# KiCad board kharon386_main.kicad_pcb (continued)
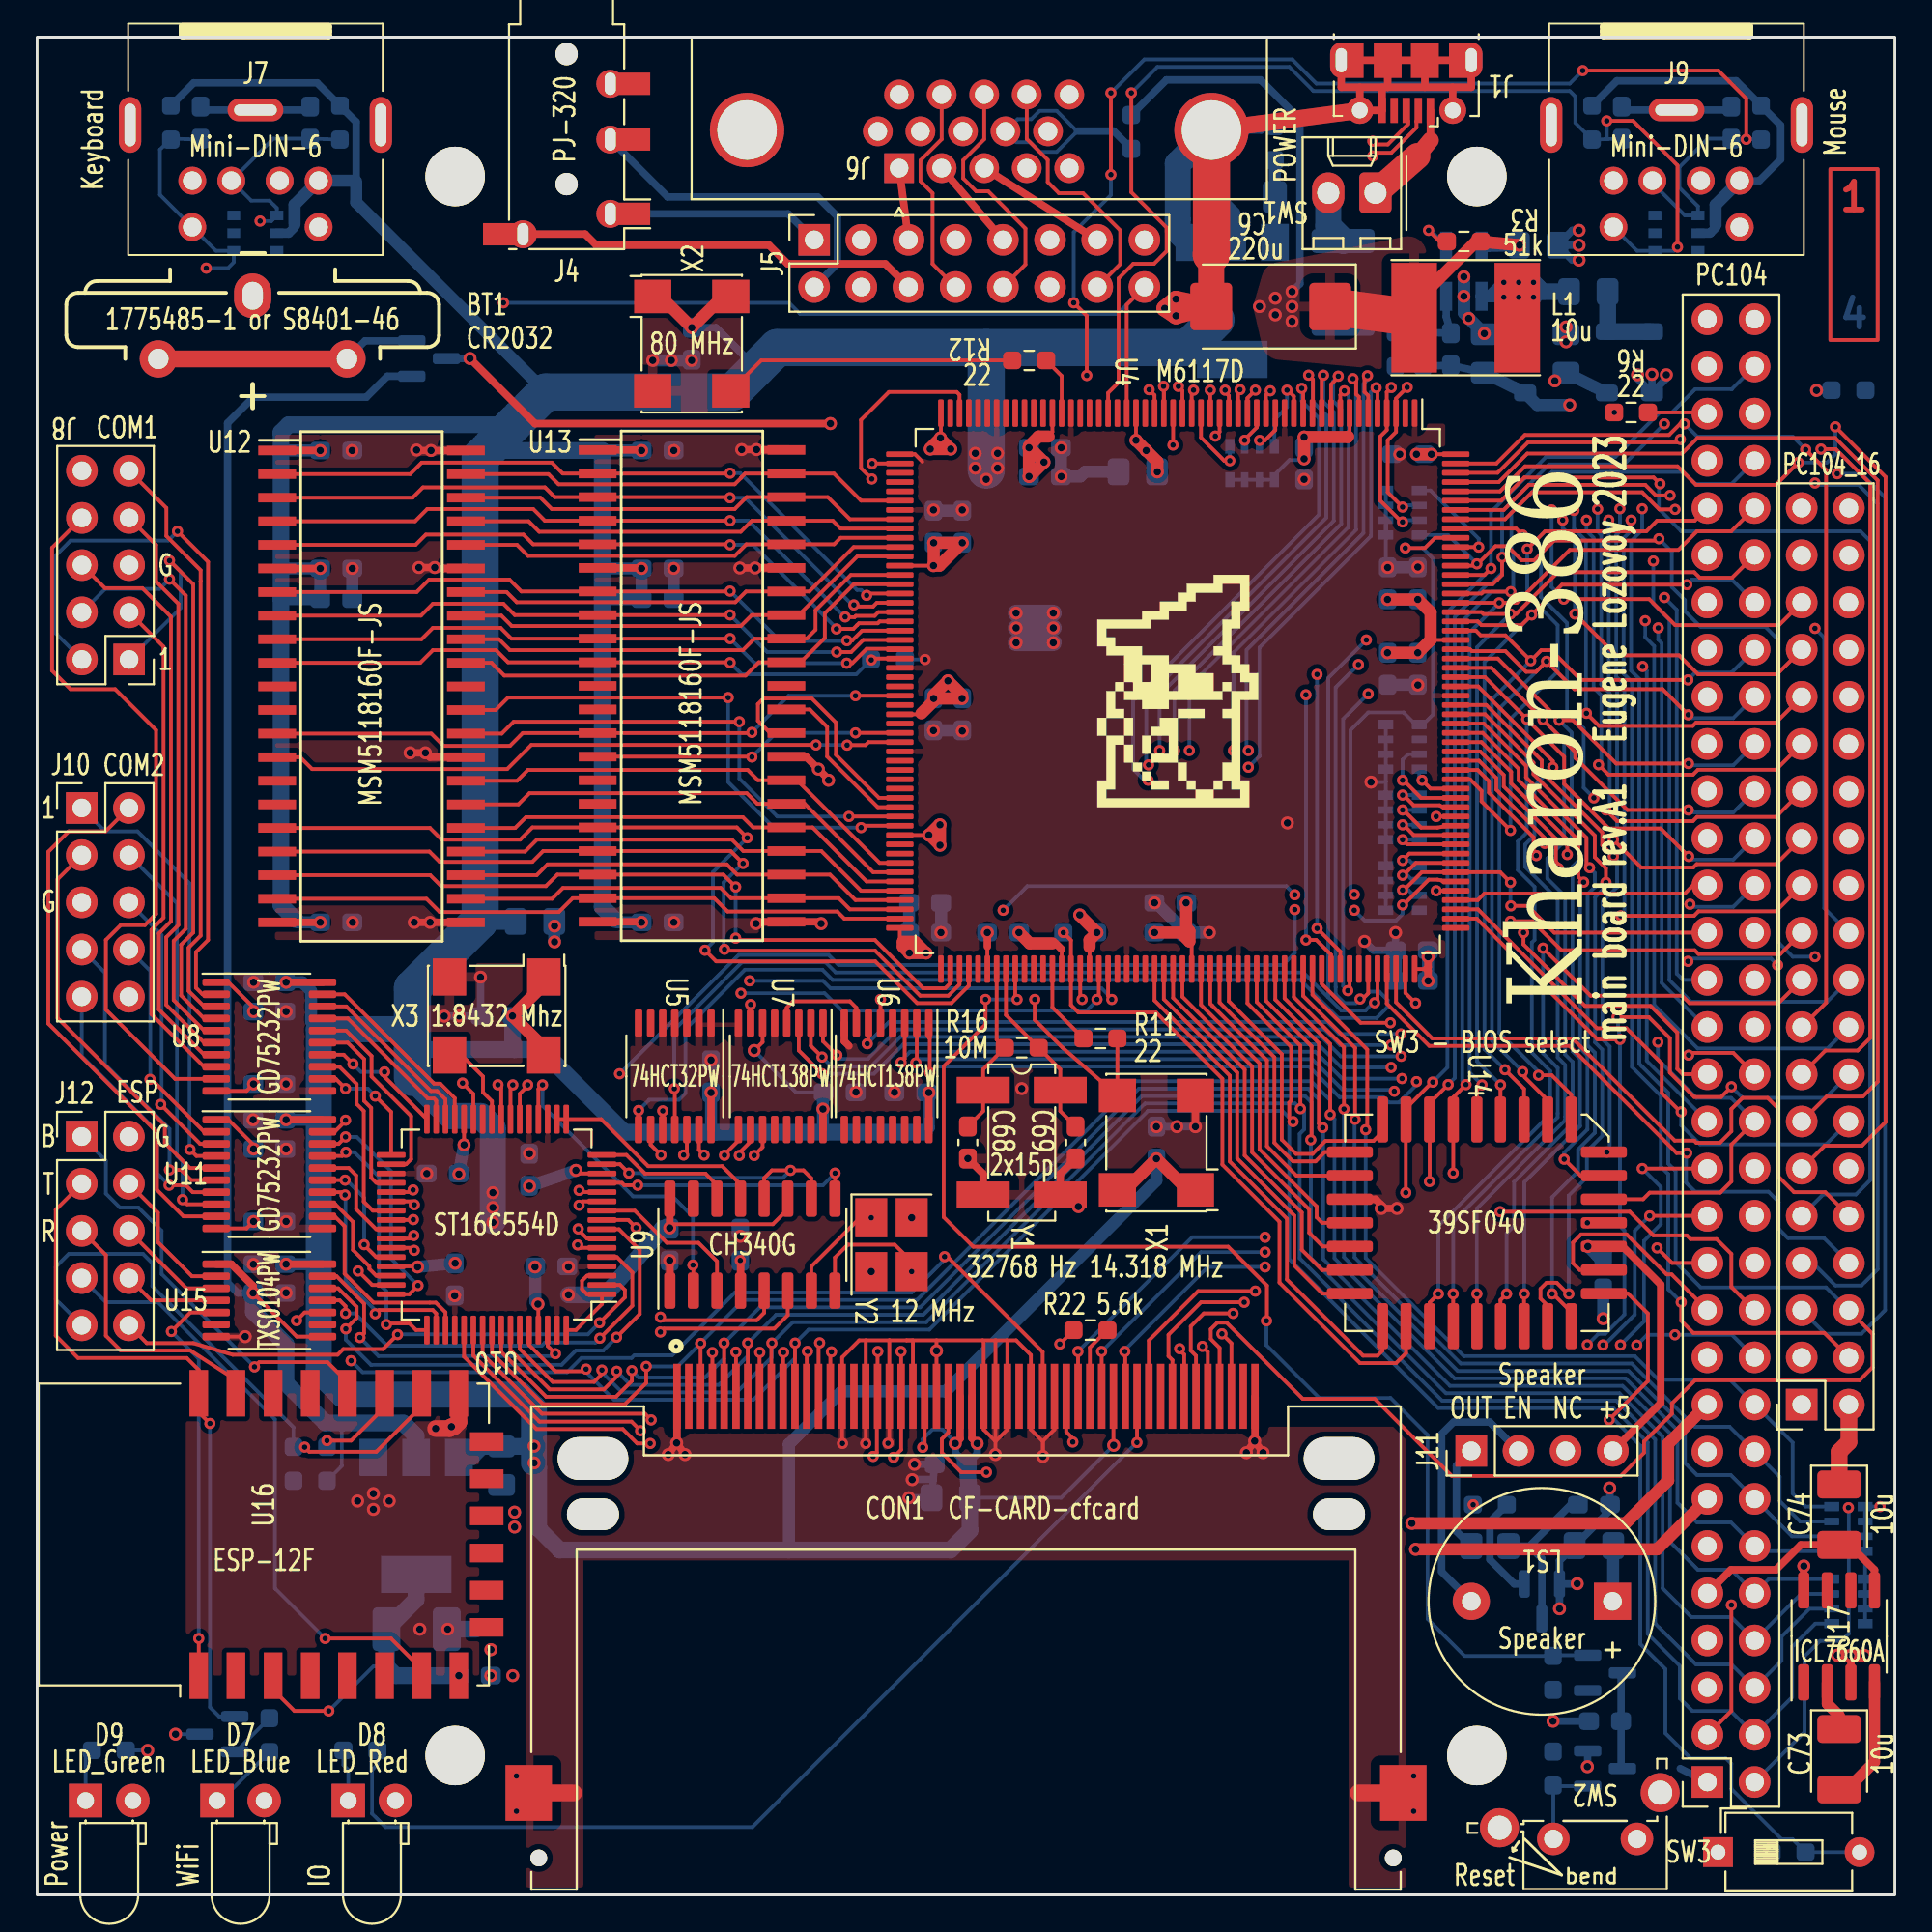
[diagram p0: board, top side]
## Routing (per net, layer and track width the routed paths; a pad name or vN(x,y) marks a point on that pad's centre or on a via; arc(x,y) is an arc through that point) (continued)
/MEMW: length 29.3
  Top w0.2: v2(74.55,60) 75,59.55 U4.172 ; v2(79.31,52.41) 80.49,52.41 82.05,50.85 89.23,50.85 89.43,50.65 93.84,50.65 J2.21
  In2.Cu w0.2: v2(79.31,52.41) 78.1,53.62 78.1,55.8 78.1,55.8 78.1,56.72 74.82,60 v2(74.55,60)
  Bottom w0.2: v2(74.55,60) 74.4,60.15 RN3.4
/MSCLK: length 63.7
  Top w0.2: v2(58.9,97) 58.9,91.65 60.8,89.75 60.8,88.48 60.12,87.8 59,87.8 58.21,87.01 58.21,81.41 57.65,80.85 U4.34 ; v2(88.3,88.7) 88.3,93.1 85.91,95.49 v2(84.49,95.49)
  Bottom w0.2: J9.5 86.12,88.5 U19.1 88.1,88.5 v2(88.3,88.7) ; 84.49,94.51 R15.2 82.8,95.39 82.8,96.8 82.5,97.1 68.7,97.1 67.4,98.4 60.3,98.4 v2(58.9,97) ; 84.49,94.51 C66.1 ; 84.49,94.51 84.49,94.52 v2(84.49,95.49)
/MSDAT: length 109.5
  Top w0.2: v2(92,94.5) 92,96.7 90.5,98.2 v2(83.2,98.2) ; v2(74.2,48) 73.65,48.55 U4.155 ; v2(57.8,92.6) v2(57.8,97) ; v2(55.8,85.7) 56.5,85 v2(56.5,81.79)
  In2.Cu w0.2: v2(74.2,48) 74.2,49.6 71.7,52.1 71.7,57.6 56.5,72.8 v2(56.5,81.79)
  Bottom w0.2: v2(55.8,85.7) 55.8,89.5 57.8,91.5 v2(57.8,92.6) ; v2(57.8,97) 59.6,98.8 67.57,98.8 68.87,97.5 82.5,97.5 v2(83.2,98.2) ; R14.2 C65.1 89.94,94.54 88.4,93 88.4,91.9 89.41,90.89 U19.4 88.7,90.4 86.95,92.15 J9.1
/NOWS: length 42.7
  Top w0.2: U4.165 73.87,56.05 v2(73.5,55.68)
  In2.Cu w0.2: J3.15 88.76,25 88.76,30.69 85.8,33.65 85.8,38.85 85.5,39.15 85.5,42.54 74.7,53.34 74.7,54.53 73.55,55.68 v2(73.5,55.68)
  Bottom w0.2: RN4.1 74.15,55.4 73.86,55.68 v2(73.5,55.68)
/PWG: length 68.2
  Top w0.2: v2(51.05,48.2) 51.05,46.85 48.8,44.6 48.8,36.48 50.39,34.89 64.11,34.89 66.2,32.8 66.2,30.92 v2(66.17,30.9) ; v2(52.75,48.2) 52.65,48.3 U4.113
  Bottom w0.2: v2(51.05,48.2) v2(52.75,48.2) ; U3.2 81.64,12.9 R23.1 76.84,12.86 74.85,14.85 74.85,24.75 72.85,26.75 69.02,26.75 66.17,29.59 66.17,29.6 v2(66.17,30.9)
/RASJ0: length 34.4
  Top w0.2: v2(41.92,61.9) 26.6,61.9 25.3,60.6 14.8,60.6 14.16,61.24 U12.14 ; U4.84 44.75,62.05 44.59,61.89 v2(43.6,61.89)
  Bottom w0.2: v2(41.92,61.9) 43.59,61.9 v2(43.6,61.89)
/RASJ1: length 16.8
  Top w0.2: v2(38.47,61.25) 38.45,61.27 U13.14 ; v2(44.05,62.55) U4.83
  Bottom w0.2: v2(44.05,62.55) 39.78,62.55 v2(38.47,61.25)
/REFRESH: length 19.9
  Top w0.2: v2(73.5,54.09) 73.57,54.09 74.54,55.05 U4.163 78.76,55.05 v2(79.31,54.5) ; J3.37 81.67,51.79 80.23,53.24 v2(79.33,53.24)
  Bottom w0.2: v2(79.31,54.5) 79.31,53.26 v2(79.33,53.24) ; v2(73.5,54.09) 73.81,54.09 74.1,53.8 RN4.3
/RESETL: length 68.7
  Top w0.2: U15.10 14.4,31.35 v2(13.96,30.91) ; U4.120 56.15,48.3 v2(56.25,48.2) ; CON1.41 54.13,29.22 49,34.35 v2(48.85,34.35)
  In2.Cu w0.2: v2(16.9,28.75) 16.12,28.75 v2(13.96,30.91) ; v2(48.85,34.35) 48.85,40.4 56.25,47.8 v2(56.25,48.2)
  Bottom w0.2: v2(48.85,34.35) 48.85,34.2 47.07,32.42 37.56,32.42 34.19,29.05 32.15,29.05 32,28.9 29.3,28.9 28.53,28.13 17.52,28.13 v2(16.9,28.75)
/RI1: length 31.7
  Top w0.2: U8.3 8.98,47.82 8.15,48.66 8.15,50.98 8.8,51.64 8.8,70.71 8.8,70.72 8.8,71.3 6.95,73.15 6.95,74.66 J8.9
/RI2: length 14.8
  Top w0.2: v2(7.1,38.2) 8,38.2 8.38,37.82 9.64,37.82
  Bottom w0.2: J10.9 2.4,45.15 6.45,41.1 6.45,38.85 v2(7.1,38.2)
/RI_COM1: length 9.8
  Top w0.2: U10.30 21.98,42.82 21.53,43.27 21.2,43.27 16.64,47.82 U8.18
/RI_COM2: length 12.7
  Top w0.2: v2(16.57,37.68) 16.42,37.82 15.36,37.82 ; v2(18.2,31.28) 18.4,31.48 21.29,31.48 21.48,31.29 U10.50
  Bottom w0.2: v2(18.2,31.28) 18.2,31.48 16.6,33.07 16.6,37.65 v2(16.57,37.68)
/RSTDRV: length 116
  Top w0.2: J3.3 91.2,9.91 v2(91.2,15.6) ; v2(73.5,53.29) 73.55,53.29 74.91,54.65 75.38,54.65 75.61,54.61 75.66,54.55 U4.162 ; U10.27 23.48,43.12 v2(22.9,43.7)
  In2.Cu w0.2: v2(91.2,15.6) 91.2,19.11 90.31,20 89.25,20 88.36,20.89 88.36,28.59 87.56,29.39 87.56,30.76 85,33.32 85,37.8 83.9,38.9 83.9,43.01 73.63,53.29 v2(73.5,53.29) ; v2(67.7,53.04) 70.86,53.04 v2(70.9,53) ; v2(31.35,44.2) 25.41,44.2 25.41,44.21 23.41,44.21 v2(22.9,43.7)
  Bottom w0.2: v2(73.5,53.29) 73.5,52.8 73.15,52.45 71.45,52.45 v2(70.9,53) ; v2(31.35,44.2) 31.37,44.2 37.77,50.6 42.6,50.6 43.15,50.05 67.05,50.05 67.7,50.7 v2(67.7,53.04)
/RTS1: length 31.1
  Top w0.2: J8.7 6.4,72.67 6.4,70.7 7.6,69.5 7.6,52.2 6.95,51.55 6.95,47.91 8.98,45.88 9.64,45.88
/RTS2: length 16.6
  Top w0.2: v2(7.12,39.02) 7.74,39.02 8.29,38.47 U11.6
  Bottom w0.2: J10.7 3.65,49.64 3.65,44.7 7.12,41.23 v2(7.12,39.02)
/RTS_COM1: length 10.3
  Top w0.2: U10.36 18.25,38.33 17.98,38.6 17.98,42.36 17.6,42.74 17.6,44.99 16.71,45.88 15.36,45.88
/RTS_COM2: length 6.9
  Top w0.2: v2(17.6,35) 17.6,34.98 18.25,34.33 U10.44 ; v2(16.58,38.47) 16.58,38.47 U11.15
  Bottom w0.2: v2(17.6,35) 17.6,37.54 16.66,38.47 v2(16.58,38.47)
/RTS_ESP: length 22.6
  Top w0.2: U15.11 16.29,32 16.6,31.69 v2(16.6,31.3) ; U10.5 31.21,34.33 32.04,33.5 32.04,31.71 v2(30.29,29.96)
  Bottom w0.2: v2(30.29,29.96) 30.05,29.73 27.33,29.73 27.16,29.56 18.85,29.56 17.11,31.3 v2(16.6,31.3)
/RTS_USB: length 14.2
  Top w0.2: v2(32.32,38.2) 31.6,38.2 31.47,38.33 U10.13 ; U9.9 42.95,37.48 v2(42.95,38.85)
  Bottom w0.2: v2(32.32,38.2) 42.3,38.2 v2(42.95,38.85)
/RX1: length 40
  Top w0.2: v2(7.55,73.4) 9.2,71.75 9.2,51.4 8.55,50.75 8.55,48.83 8.9,48.47 U8.2
  Bottom w0.2: v2(7.55,73.4) 7.05,72.9 1.8,72.9 1,72.1 1,67.91 J8.2
/RX2: length 29.7
  Top w0.2: U11.9 7.88,36.52 6.45,37.95 6.45,41.05 0.6,46.9 0.6,56.15 1.7,57.25 3.68,57.25 J10.2
/RX_COM1: length 10.6
  Top w0.2: U10.29 22.48,42.89 21.7,43.67 21.36,43.67 16.55,48.47 U8.19
/RX_COM2: length 11.2
  Top w0.2: U10.51 21.98,31.36 21.46,31.88 18.1,31.88 16.55,33.44 16.55,35.99 16.02,36.52 U11.12
/RX_ESP: length 17.2
  Top w0.2: U10.62 27.48,29.55 v2(27.9,29.13) ; U15.13 16.12,33.3 17.6,31.82 17.6,30.23 v2(17.37,30)
  Bottom w0.2: v2(27.9,29.13) 27.77,29 18.37,29 v2(17.37,30)
/RX_USB: length 17.6
  Top w0.2: v2(27.2,43.6) 26.98,43.38 U10.20 ; 35.32,32.52 35.32,33.88 v2(35.3,33.9)
  Bottom w0.2: v2(27.2,43.6) 27.2,42.47 32.08,37.6 34.2,37.6 35.3,36.5 v2(35.3,33.9)
/SA0: length 140.6
  Top w0.2: CON1.20 58.57,29.23 v2(58.55,29.25) ; v2(75.12,43.75) 75.1,43.75 73.67,42.33 v2(73.67,37.8) ; v2(78.26,71.4) 77.91,71.05 U4.195 ; v2(24.81,43.61) 24.98,43.43 U10.24
  In2.Cu w0.2: v2(66.1,33.8) 67.23,33.8 71.23,37.8 73.67,37.8 v2(73.67,37.8) ; v2(58.55,29.25) 55.5,26.2 27.71,26.2 24.85,29.05 21.55,29.05 18.4,32.2 18.4,39.93 21.57,43.1 24.3,43.1 v2(24.81,43.61)
  Bottom w0.2: J3.62 91.22,81.05 89.25,81.05 88,79.8 87.35,79.8 84.95,77.4 81.22,77.4 78.26,74.44 v2(78.26,71.4) 75.91,69.05 75.91,44.54 v2(75.12,43.75) ; v2(58.55,29.25) 58.55,29.33 63.02,33.8 v2(66.1,33.8)
/SA1: length 141.7
  Top w0.2: U10.23 25.48,43.47 v2(25.61,43.6) ; v2(57.3,29.25) 57.3,29.25 CON1.19 ; v2(74.95,38.4) 74.96,38.41 74.96,42.62 v2(75.96,43.62) ; v2(78.86,72) 78.86,71.05 78.61,70.8 78.6,70.8 78.35,70.55 U4.194
  In2.Cu w0.2: v2(74.95,38.4) 71.27,38.4 67.46,34.6 v2(66.1,34.6) ; v2(57.3,29.25) 54.65,26.6 27.87,26.6 25.02,29.45 21.72,29.45 18.8,32.37 18.8,39.77 21.73,42.7 24.75,42.7 25.61,43.56 ; 92.45,79.73 91.28,80.9 89.3,80.9 87.6,79.2 v2(87.6,79.18)
  Bottom w0.2: v2(87.6,79.18) 85.41,77 81.38,77 78.86,74.47 v2(78.86,72) 78.86,71.15 78.26,70.55 78.06,70.55 76.31,68.8 76.31,43.97 v2(75.96,43.62) ; v2(66.1,34.6) 62.65,34.6 v2(57.3,29.25)
/SA2: length 140.1
  Top w0.2: CON1.18 56.03,29.24 v2(56.03,29.25) ; U4.193 77.75,70.05 77.85,70.15 v2(79.33,70.15) ; v2(26.4,43.6) 26.4,43.55 25.98,43.13 U10.22 ; v2(76.91,43.61) 76.23,42.93 76.23,38.85 v2(76.22,38.85)
  In2.Cu w0.2: v2(66.1,35.4) 67.7,35.4 71.3,39 76.08,39 v2(76.22,38.85) ; 26.4,43.55 25.15,42.3 22.03,42.3 19.2,39.47 19.2,32.53 21.88,29.85 25.18,29.85 28.04,26.99 53.77,26.99 v2(56.03,29.25)
  Bottom w0.2: v2(56.03,29.25) 62.17,35.4 v2(66.1,35.4) ; v2(76.91,43.61) 76.71,43.82 76.71,68.57 78.29,70.15 v2(79.33,70.15) 79.46,70.28 79.46,72.25 79.36,72.35 79.36,74.41 81.55,76.6 84.7,76.6 88.61,76.6 89.26,75.95 91.2,75.95 J3.58
/SA3: length 87.9
  Top w0.2: v2(77.78,43.6) 77.5,43.32 77.5,41.24 ; U4.192 v2(78.7,69.55) 79.65,69.55 82.5,72.4 88.35,72.4 89.35,73.4 91.19,73.4 92.45,74.66 ; v2(42.25,44.2) 41,45.45 U7.3
  In2.Cu w0.2: v2(72.88,44.54) 72.89,44.54 76.83,44.54 v2(77.78,43.6)
  Bottom w0.2: v2(77.78,43.6) 77.11,44.26 77.11,67.96 v2(78.7,69.55) ; v2(72.88,44.54) 70.21,44.54 68.96,45.79 46.63,45.79 45.05,44.2 v2(42.25,44.2)
/SA4: length 87.2
  Top w0.2: U4.191 77.75,69.05 77.85,68.95 v2(79.3,68.95) 79.62,68.95 81.86,71.2 89.2,71.2 89.5,70.9 91.23,70.9 J3.54 ; 78.77,41.24 78.77,43.59 v2(78.78,43.6) ; U7.2 41.65,45.7 v2(42.25,45.1)
  In2.Cu w0.2: v2(73.42,45.14) 73.43,45.14 77.24,45.14 v2(78.78,43.6)
  Bottom w0.2: v2(78.78,43.6) 77.51,44.86 77.51,67.16 v2(79.3,68.95) ; v2(73.42,45.14) 73.42,45.14 70.17,45.14 69.12,46.19 46.47,46.19 44.88,44.6 42.75,44.6 v2(42.25,45.1)
/SA5: length 84.3
  Top w0.2: v2(44.68,45.81) 44.75,45.88 U6.6 ; U4.190 77.55,68.55 77.75,68.35 79.9,68.35 v2(80.45,68.9) 82.08,70.53 v2(88.8,70.53) ; 80.04,41.24 80.04,43.39 v2(79.01,44.42)
  In2.Cu w0.2: v2(73.41,46.34) 77.09,46.34 v2(79.01,44.42)
  Bottom w0.2: v2(80.45,68.9) 77.91,66.36 77.91,45.52 v2(79.01,44.42) ; v2(88.8,70.53) 89.08,70.8 91.22,70.8 J3.52 ; v2(44.68,45.81) 45.86,46.98 69.46,46.98 70.1,46.34 v2(73.41,46.34)
/SA6: length 83.7
  Top w0.2: 81.31,41.24 81.31,42.78 80.08,44.01 80.08,44.2 v2(79.97,44.31) ; v2(48.05,44.25) 48.05,46.1 48,46.15 U6.1 ; U4.189 77.45,68.05 77.7,67.8 79.04,67.8 v2(80.4,66.44) 80.96,67 81.5,67 83.1,65.4 v2(88.86,65.4)
  In2.Cu w0.2: v2(79.97,44.31) 79.97,43.72 78.3,42.05 75.97,42.05 v2(74.25,43.77)
  Bottom w0.2: J3.50 91.22,65.8 89.26,65.8 v2(88.86,65.4) ; v2(74.25,43.77) 74.25,43.6 73.3,42.66 72.74,42.66 72.46,42.94 70.11,42.94 68.46,44.59 48.39,44.59 v2(48.05,44.25) ; v2(80.4,66.44) 78.31,64.35 78.31,45.97 v2(79.97,44.31)
/SA7: length 85.3
  Top w0.2: v2(88.88,63.52) 87.5,64.9 82.75,64.9 v2(81.25,66.4) 80.69,65.84 80.15,65.84 79.04,66.95 77.23,66.95 77.13,67.05 U4.187 ; v2(80.82,44.12) 81.53,44.12 82.58,43.07 82.58,41.24 ; U6.2 47.35,44.84 v2(47.3,44.79)
  In2.Cu w0.2: v2(80.82,44.12) 80.82,43.72 78.6,41.5 74.81,41.5 v2(73.06,43.26)
  Bottom w0.2: v2(73.06,43.26) 72.97,43.34 70.28,43.34 68.63,44.99 47.5,44.99 v2(47.3,44.79) ; v2(88.88,63.52) 89.05,63.35 91.3,63.35 J3.48 ; v2(80.82,44.12) 80.82,44.31 78.71,46.42 78.71,63.86 v2(81.25,66.4)
/SA8: length 107.8
  Top w0.2: v2(43.05,45.2) 42.3,45.95 U7.1 ; v2(88.89,60.9) 88.89,60.9 85,60.9 82.67,63.23 v2(81.93,63.23) 81.93,63.25 78.63,66.55 U4.186 ; U14.27 80.04,32.34
  In2.Cu w0.2: v2(80.05,32.35) 79.45,31.75 78.85,31.75 78.45,32.15 78.45,32.65 79.35,33.55 79.35,38.82 78.17,40 74.9,40 71.97,42.92 71.97,44.84 v2(72.87,45.74)
  Bottom w0.2: v2(81.93,63.23) 82.6,62.56 82.6,56.62 82.97,56.25 82.97,55.67 82.65,55.35 82.65,45.41 83.05,45 83.05,41.42 83.05,41.41 83.05,41.36 80.05,38.37 v2(80.05,32.35) ; v2(72.87,45.74) 70.13,45.74 69.29,46.58 46.3,46.58 44.72,45 43.25,45 v2(43.05,45.2) ; 92.45,61.95 91.3,60.81 88.98,60.81 v2(88.89,60.9)
/SA9: length 103.6
  Top w0.2: U4.185 78.28,66.05 81.06,63.27 v2(81.06,63.26) 82.8,61.52 82.8,61.2 85.6,58.4 v2(88.88,58.4) ; U6.3 46.7,45 v2(46.5,44.8) ; v2(79.1,32.35) 78.77,32.02 U14.26
  In2.Cu w0.2: v2(79.1,32.35) 80,33.25 80,38.98 78.58,40.4 75.06,40.4 72.45,43.01 72.45,43.51 72.89,43.94 73.47,43.94 v2(73.47,43.94)
  Bottom w0.2: 73.47,43.94 73.46,43.94 70.24,43.94 68.79,45.39 46.99,45.39 46.5,44.9 v2(46.5,44.8) ; v2(79.1,32.35) 79.1,35.6 79.5,36 79.5,38.38 82.65,41.53 82.65,41.58 82.65,41.58 82.65,44.84 82.25,45.24 82.25,53.75 81.29,54.71 81.29,55.79 82.2,56.7 82.2,62.12 v2(81.06,63.26) ; v2(88.88,58.4) 89.01,58.27 91.3,58.27 J3.44
/SA10: length 57.9
  Top w0.2: v2(75.43,32.35) 74.96,31.88 U14.23 ; U4.184 77.93,65.55 80.18,63.3 v2(80.18,63.28) 82.2,61.27 82.2,59.8 84.6,57.4 87.4,57.4 v2(88.9,55.9)
  Bottom w0.2: v2(80.18,63.28) 80.18,57.18 79.7,56.7 79.7,55.17 80.61,54.26 80.61,51.41 80.46,51.26 80.46,45.33 81.45,44.34 81.45,42.02 75.43,36 v2(75.43,32.35) ; v2(88.9,55.9) 89.07,55.73 91.3,55.73 92.45,56.88
/SA11: length 57
  Top w0.2: v2(81.59,60.69) 81.59,61.03 77.57,65.05 U4.183 ; v2(77.5,32.35) U14.25
  In2.Cu w0.2: v2(88.97,53.33) 87.08,55.21 87.08,58.25 85.1,60.23 82.05,60.23 v2(81.59,60.69)
  Bottom w0.2: v2(77.5,32.35) 77.5,36.95 82.25,41.69 82.25,41.9 82.25,41.9 82.25,44.67 81.85,45.07 81.85,53.58 80.1,55.33 80.1,56.54 80.6,57.03 80.6,59.7 v2(81.59,60.69) ; v2(88.97,53.33) 89.11,53.19 91.3,53.19 92.45,54.33
/SA12: length 40
  Top w0.2: v2(84.85,55.9) 84.25,56.5 84.25,57.19 80.99,60.44 80.99,61.06 78.01,64.05 U4.181
  In2.Cu w0.2: v2(84.85,55.9) 88.3,52.45 88.3,51.7 89.5,50.5 91.16,50.5 J3.38
  Bottom w0.2: v2(84.5,39.98) 84.65,40.14 84.65,45.67 84.26,46.05 84.26,53.46 85.05,54.25 85.05,55.7 v2(84.85,55.9)
/SA13: length 53.1
  Top w0.2: U14.28 81.31,31.71 80.92,32.1 80.92,32.62 81.25,32.95 81.8,32.95 82.4,32.35 v2(82.45,32.35) ; v2(84.45,54.5) 84.45,55.26 83.85,55.86 83.85,57.02 80.55,60.32 80.55,60.94 77.94,63.55 U4.180
  In2.Cu w0.2: J3.36 91.19,48 89,48 84.45,52.55 v2(84.45,54.5)
  Bottom w0.2: v2(84.45,54.5) 84.45,54.28 83.86,53.7 83.86,45.89 84.25,45.5 84.25,40.86 83.42,40.03 83.42,38.62 82.45,37.65 v2(82.45,32.35)
/SA14: length 53.9
  Top w0.2: U14.29 82.58,31.37 81.6,32.35 v2(81.55,32.35) ; U4.179 77.88,63.05 80.15,60.78 80.15,60.16 83.4,56.9 83.4,55.46 v2(83.57,55.29)
  In2.Cu w0.2: v2(83.57,55.29) 83.85,55.01 83.85,52.35 88.65,47.55 88.65,46.35 89.5,45.5 91.23,45.5 J3.34
  Bottom w0.2: v2(83.57,55.29) 83.85,55.01 83.85,54.25 83.46,53.86 83.46,45.72 83.85,45.33 83.85,41.03 82.95,40.12 82.95,38.95 81.55,37.55 v2(81.55,32.35)
/SA15: length 45.6
  Top w0.2: v2(82.2,39.6) 83.09,38.71 U14.3 ; U4.178 77.81,62.55 79.75,60.61 79.75,59.99 82.97,56.77 82.97,54.8 v2(83.25,54.51) ; v2(88.9,45.2) 89.02,45.32 91.3,45.32 92.45,44.17
  In2.Cu w0.2: v2(88.9,45.2) 88.2,45.9 88.2,47.2 83.25,52.15 v2(83.25,54.51)
  Bottom w0.2: v2(83.25,54.51) 83.06,54.33 83.06,45.56 83.45,45.17 83.45,41.2 82.2,39.95 v2(82.2,39.6)
/SA16: length 40
  Top w0.2: J3.30 91.2,40.38 91.2,38.4 90.6,37.8 86.8,37.8 86.44,37.44 U14.2 ; U4.177 77.75,62.05 79.35,60.45 79.35,59.83 82.37,56.81 v2(82.37,56)
  In2.Cu w0.2: v2(82.37,56) 82.49,55.87 82.49,52.34 87.25,47.59 v2(87.25,45.9)
  Bottom w0.2: J3.30 91.19,42.9 89.32,42.9 87.25,44.97 v2(87.25,45.9)
/SA17: length 30.6
  Top w0.2: U4.176 77.68,61.55 78.95,60.28 78.95,59.66 81.76,56.85 81.76,55.61 81.89,55.47 v2(81.89,55.25)
  In2.Cu w0.2: v2(81.89,55.25) 82.09,55.05 82.09,52.18 86.6,47.67 86.6,45.4 89.1,42.9 90.35,42.9 91.2,42.05 91.2,40.34 J3.28
/SA18: length 32.5
  Top w0.2: v2(81.16,56.6) 81.16,56.89 78.55,59.5 78.55,60.12 77.62,61.05 U4.175
  In2.Cu w0.2: J3.26 91.2,37.8 91.2,39.5 90.3,40.4 89.2,40.4 87.9,41.7 87.9,43.53 86.2,45.23 86.2,47.5 81.69,52.01 81.69,54.44 81.29,54.84 81.29,55.34 81.3,55.34 81.3,56.46 v2(81.16,56.6)
/SA19: length 35.1
  Top w0.2: U4.174 77.55,60.55 78.15,59.95 78.15,59.33 80.56,56.92 80.56,56.09 v2(80.7,55.94)
  In2.Cu w0.2: v2(80.7,55.94) 80.7,54.87 81.29,54.27 81.29,51.85 85.8,47.34 85.8,45.07 87.5,43.37 87.5,40.64 88.2,39.94 88.2,36.25 89.29,35.16 91.3,35.16 92.45,34.02
/SBHE: length 57.3
  Top w0.2: U4.200 79.61,73.55 v2(79.96,73.2)
  In2.Cu w0.2: v2(83.8,59.05) 83.8,56.1 87.75,52.15 87.75,51.36 v2(88.86,50.25) ; J2.3 93.69,30.22 v2(93.69,50.05)
  Bottom w0.2: v2(79.96,73.2) 80.3,73.2 80.95,72.55 80.95,69.87 82.35,68.47 82.35,63.7 83.25,62.8 83.25,59.6 v2(83.8,59.05) ; v2(93.69,50.05) 93.33,50.4 89.01,50.4 v2(88.86,50.25)
/SD0: length 122.1
  Top w0.2: U10.53 22.98,28.97 26.88,25.07 31.52,25.07 32.3,24.3 v2(33,24.3) ; CON1.21 59.84,29.84 62.5,32.5 v2(65.58,32.5) ; v2(71.51,41.19) 71.6,41.27 71.6,45.5 68.65,48.45 U4.145
  In2.Cu w0.2: v2(33,24.3) 33.3,24.3 33.97,24.97 60.9,24.97 65.58,29.65 v2(65.58,32.5) 65.5,32.57 65.5,35.8 66.05,36.35 67.67,36.35 71.51,40.2 v2(71.51,41.19)
  Bottom w0.2: RN2.4 95.2,20.9 94.5,21.6 94.5,24.34 91.12,27.72 87.28,27.72 86,29 76.8,29 71.51,34.29 v2(71.51,41.19)
/SD1: length 119.4
  Top w0.2: U10.54 23.48,29.04 27.04,25.47 31.99,25.47 v2(32.49,24.98) ; CON1.22 61.11,28.79 60.9,29 60.9,30.15 62.65,31.9 v2(64.98,31.9) ; v2(70.94,41.75) 70.94,45.59 68.15,48.39 U4.144
  In2.Cu w0.2: 70.91,41.72 70.91,40.16 67.6,36.85 65.68,36.85 64.98,36.14 64.98,29.61 60.76,25.4 33.8,25.4 33.37,24.97 32.5,24.97 v2(32.49,24.98)
  Bottom w0.2: v2(70.94,41.75) 70.91,41.72 70.91,34.32 76.63,28.6 85.83,28.6 89.24,25.2 91.1,25.2 J3.16 93.8,22.5 93.8,21.2 94.9,20.1 RN2.3
/SD2: length 118
  Top w0.2: v2(64.38,31.3) 62.8,31.3 62.1,30.6 62.1,29.3 62.38,29.02 CON1.23 ; v2(70.34,42.3) 70.34,45.63 67.65,48.32 U4.143 ; U10.55 23.98,29.1 27.18,25.9 32.72,25.9 v2(33.05,25.56)
  In2.Cu w0.2: v2(33.05,25.56) 33.28,25.8 60.6,25.8 64.38,29.58 64.38,36.43 65.3,37.35 67.53,37.35 70.34,40.16 v2(70.34,42.3)
  Bottom w0.2: RN2.2 94.47,19.3 91.16,22.6 89.35,22.6 88.7,23.25 88.7,25.17 85.67,28.2 76.47,28.2 70.34,34.33 v2(70.34,42.3)
/SD3: length 111.6
  Top w0.2: U4.142 67.15,48.26 69.6,45.8 v2(69.6,42) ; v2(32.79,28.45) 32.79,27.56 31.64,26.41 27.23,26.41 24.48,29.17 U10.56 ; CON1.2 35.71,29.68 v2(35.72,29.68)
  Bottom w0.2: RN2.1 92.72,18.5 91.17,20.05 89.35,20.05 88.3,21.1 88.3,25.01 85.5,27.8 76.3,27.8 69.83,34.27 69.83,41.77 v2(69.6,42) 69.6,42.78 68.58,43.8 59.14,43.8 47.36,32.02 38.02,32.02 35.72,29.72 v2(35.72,29.68) 34.48,28.45 v2(32.79,28.45)
/SD4: length 114.1
  Top w0.2: v2(36.97,29.7) 36.98,29.69 CON1.3 ; v2(32.01,28.22) 32.01,27.67 31.16,26.81 27.4,26.81 24.98,29.23 U10.57 ; v2(69.2,41.3) 69,41.5 69,45.84 66.65,48.19 U4.141
  Bottom w0.2: v2(32.01,28.22) 32.38,27.85 35.95,27.85 36.97,28.88 v2(36.97,29.7) 38.9,31.62 47.53,31.62 59.31,43.4 68.41,43.4 69,42.81 69,41.5 v2(69.2,41.3) 69.23,41.28 69.23,34.22 76.05,27.4 85.34,27.4 87.9,24.84 87.9,19 89.4,17.5 91.19,17.5 J3.10 93.22,17 RN1.4
/SD5: length 116.8
  Top w0.2: U4.140 66.15,48.13 68.6,45.68 68.6,40.68 v2(68.56,40.64) ; v2(31.2,28.19) 31.2,27.9 30.51,27.21 27.59,27.21 25.48,29.32 U10.58 ; CON1.4 38.25,29.7 v2(38.25,29.7)
  Bottom w0.2: v2(31.2,28.19) 31.94,27.45 36.69,27.45 38.25,29.01 v2(38.25,29.7) 39.77,31.22 47.69,31.22 59.47,43 68.25,43 68.6,42.65 68.6,40.69 v2(68.56,40.64) 68.56,34.28 75.84,27 85.17,27 87.5,24.68 87.5,16.5 89.05,14.95 91.19,14.95 J3.8 94.95,16.2 RN1.3
/SD6: length 117.9
  Top w0.2: U10.59 25.98,29.39 27.75,27.61 29.98,27.61 30.4,28.04 v2(30.4,28.25) ; v2(39.55,29.7) 39.52,29.67 CON1.5 ; U4.139 65.65,48.06 68,45.71 v2(68,42.32)
  Bottom w0.2: RN1.2 95.4,15.4 93.9,13.9 93.9,12.6 J3.6 91.2,12.4 89.3,12.4 87.1,14.6 87.1,24.51 85.01,26.6 75.63,26.6 67.96,34.27 67.96,40.96 68.2,41.21 68.2,42.11 v2(68,42.32) 67.72,42.6 59.64,42.6 47.86,30.82 40.67,30.82 v2(39.55,29.7) 39.55,28.95 37.65,27.05 31.49,27.05 30.4,28.14 v2(30.4,28.25)
/SD7: length 121.1
  Top w0.2: v2(40.8,29.7) 40.79,29.69 CON1.6 ; U4.138 65.15,48 67.5,45.65 67.5,42.75 67.4,42.65 67.4,41.83 v2(67.6,41.62) ; v2(29.55,28.3) 29.43,28.18 27.9,28.18 26.48,29.6 U10.60
  Bottom w0.2: v2(29.55,28.3) 29.55,28.15 31.05,26.65 38.55,26.65 40.8,28.9 v2(40.8,29.7) 41.53,30.42 48.03,30.42 59.8,42.2 67.03,42.2 v2(67.6,41.62) 67.4,41.42 67.4,34.22 75.42,26.2 84.84,26.2 86.7,24.35 86.7,14.05 88.42,12.32 88.42,10.57 89.1,9.9 91.16,9.9 J3.4 94.47,10.63 94.47,13.35 95.72,14.6 RN1.1
/SD8: length 109.5
  Top w0.2: v2(61.5,29.4) 61.5,29.33 61.75,29.09 CON1.47 ; J2.23 93.6,52.94 89.43,52.94 89.19,52.7 v2(85.25,52.7) ; U4.5 72.15,81.05 v2(72.08,81.13)
  In2.Cu w0.2: v2(85.2,74.61) 85.2,75.38 80.42,80.15 73.04,80.15 72.08,81.11 v2(72.08,81.13) ; v2(65.2,60.7) 65.6,60.3 65.6,40.34 62.55,37.29 62.55,30.45 v2(61.5,29.4)
  Bottom w0.2: v2(72.08,81.13) 72.03,81.13 71.8,80.9 71.8,73.14 65.8,67.14 65.8,61.3 v2(65.2,60.7) ; v2(85.25,52.7) 85.45,52.9 85.45,65.12 85,65.57 85,73.2 85.2,73.4 v2(85.2,74.61)
/SD9: length 108.4
  Top w0.2: J2.25 93.6,55.48 89.33,55.48 89.15,55.3 86.35,55.3 v2(84.85,56.8) ; U4.6 71.65,80.7 71.45,80.9 71.45,81.62 v2(71.61,81.78) ; v2(62.72,29.52) 63.02,29.23 CON1.48
  In2.Cu w0.2: v2(62.72,29.52) 63.18,29.98 63.18,37.36 66,40.18 66,60.9 65.3,61.6 v2(65.2,61.6) ; v2(84.6,74) 84.6,75.41 80.26,79.75 72.6,79.75 71.45,80.9 71.45,81.62 v2(71.61,81.78)
  Bottom w0.2: v2(71.61,81.78) 71.61,81.55 71.4,81.34 71.4,73.31 65.1,67.01 65.1,61.7 v2(65.2,61.6) ; v2(84.85,56.8) 85.05,57 85.05,64.96 84.6,65.4 84.6,74 v2(84.6,74)
/SD10: length 108.3
  Top w0.2: v2(70.83,81.62) 71,81.44 71,80.79 71.15,80.64 U4.7 ; CON1.49 64.29,29.69 v2(63.78,30.2) ; v2(84.45,58.4) 85.05,57.8 89.13,57.8 89.35,58.02 93.6,58.02 J2.27
  In2.Cu w0.2: v2(84,74.59) 84,75.45 80.09,79.35 72.44,79.35 71,80.79 71,81.44 v2(70.83,81.62) ; v2(64.4,61.6) 64.4,61.7 64.9,62.2 65.6,62.2 66.4,61.4 66.4,39.94 63.78,37.32 v2(63.78,30.2)
  Bottom w0.2: v2(84,74.59) 84,73.4 84.19,73.21 84.19,65.14 84.65,64.69 84.65,58.6 v2(84.45,58.4) ; v2(64.4,61.6) 64.4,66.87 71,73.47 71,81.45 v2(70.83,81.62)
/SD11: length 126.5
  Top w0.2: v2(84.05,60.83) 84.58,60.3 89.14,60.3 89.4,60.56 93.6,60.56 J2.29 ; v2(36.35,29.19) CON1.27 ; v2(70.37,80.96) 70.15,80.74 U4.9
  In2.Cu w0.2: v2(70.37,80.96) 70.37,80.86 72.27,78.95 79.93,78.95 83.4,75.48 v2(83.4,74) ; v2(36.35,29.19) 36.35,30.05 38.3,32 56.09,32 57.75,33.66 57.75,46.41 58.6,47.26 58.6,49.24 57.8,50.04 57.8,61.37 59.23,62.8 61,62.8 62.02,61.78 v2(62.02,61.6)
  Bottom w0.2: v2(62.02,61.6) 62.02,65.06 70.6,73.64 70.6,80.73 v2(70.37,80.96) ; v2(83.4,74) 83.4,73.43 83.78,73.05 83.78,64.99 84.2,64.57 84.2,60.99 v2(84.05,60.83)
/SD12: length 124.4
  Top w0.2: CON1.28 37.62,29.21 v2(37.61,29.22) ; U4.10 69.65,81.3 70.04,81.69 v2(70.04,81.75) ; v2(83.4,63.6) 84.08,62.92 89.12,62.92 89.3,63.1 93.6,63.1 J2.31
  In2.Cu w0.2: v2(70.04,81.75) 69.77,81.48 69.77,80.72 71.93,78.55 79.76,78.55 82.72,75.59 82.72,74.53 v2(82.73,74.52) ; v2(37.61,29.22) 37.61,29.91 38.4,30.7 38.4,30.7 39.3,31.6 56.25,31.6 58.15,33.49 58.15,46.24 59,47.1 59,49.4 58.2,50.21 58.2,61 59.4,62.2 60.67,62.2 61.22,61.65 v2(61.22,61.6)
  Bottom w0.2: v2(83.4,63.6) 83.38,63.63 83.38,72.89 82.73,73.54 v2(82.73,74.52) ; v2(61.22,61.6) 61.22,64.83 70.2,73.8 70.2,79.98 69.77,80.41 69.77,81.48 v2(70.04,81.75)
/SD13: length 117.5
  Top w0.2: J2.33 93.66,65.7 89.41,65.7 88.38,66.72 85,66.72 v2(82.78,68.95) ; v2(38.9,29.2) 38.89,29.19 CON1.29 ; U4.11 69.15,81.71 v2(69.24,81.8)
  In2.Cu w0.2: v2(60.42,61.6) 59.6,61.6 58.6,60.6 58.6,50.37 59.4,49.57 59.4,46.93 58.55,46.08 58.55,33.33 56.42,31.2 39.95,31.2 38.9,30.15 v2(38.9,29.2) ; v2(82.12,74) 82.12,74.8 80.02,76.9 73.02,76.9 69.24,80.68 v2(69.24,81.8)
  Bottom w0.2: v2(60.42,61.6) 60.42,64.59 69.8,73.97 69.8,79.82 69.24,80.37 v2(69.24,81.8) ; v2(82.12,74) 82.12,73.58 82.78,72.93 v2(82.78,68.95)
/SD14: length 115.3
  Top w0.2: v2(82.18,69.75) 86.78,69.75 88.17,68.35 93.76,68.35 J2.35 ; U4.12 68.68,79.79 68.68,81.57 v2(68.44,81.8) ; 40.16,29.18 CON1.30
  In2.Cu w0.2: v2(81.52,74.55) 79.57,76.5 72.85,76.5 68.68,80.68 68.68,81.57 v2(68.44,81.8) ; v2(40.18,29.2) 40.18,30.23 40.75,30.8 56.58,30.8 58.95,33.16 58.95,45.91 59.8,46.77 59.8,49.73 59,50.54 59,60.2 59.62,60.82 v2(59.82,60.82)
  Bottom w0.2: v2(82.18,69.75) 81.52,70.4 v2(81.52,74.55) ; v2(59.82,60.82) 59.7,60.95 59.7,64.43 69.4,74.13 69.4,79.65 68.67,80.38 68.67,81.57 v2(68.44,81.8)
/SD15: length 108.7
  Top w0.2: v2(68.07,81.09) 68.15,81.02 U4.13 ; v2(41.47,29.26) 41.43,29.22 CON1.31
  In2.Cu w0.2: v2(68.07,81.09) 68.07,80.71 72.69,76.1 79.1,76.1 81.9,73.3 86.6,73.3 86.9,73.6 87.9,73.6 88.2,73.3 93.79,73.3 J2.37 ; v2(41.47,29.26) 41.47,30.02 41.85,30.4 56.75,30.4 59.35,33 59.35,45.75 60.2,46.6 60.2,49.9 59.4,50.7 59.4,59.6 v2(59.8,60)
  Bottom w0.2: v2(68.07,81.09) 68.07,80.41 69,79.48 69,74.3 59,64.3 59,60.6 59.6,60 v2(59.8,60)
/SMEMR: length 36.7
  Top w0.2: 89.91,34.02 88.01,34.02 v2(87.2,34.82) ; v2(73.5,58.4) 73.55,58.4 74.5,57.45 75.38,57.45 75.8,57.52 75.82,57.55 U4.168
  In2.Cu w0.2: v2(87.2,34.82) 87.4,35.02 87.4,39.61 86.7,40.31 86.7,43.04 76.9,52.84 76.9,55.01 74.1,57.81 74.1,57.85 73.55,58.4 v2(73.5,58.4)
  Bottom w0.2: v2(73.5,58.4) RN7.2
/SMEMW: length 50.6
  Top w0.2: U14.31 83.04,33.63 82.67,34 82.67,35.12 83.11,35.55 85.56,35.55 87.72,33.4 87.98,33.4 J3.21 ; U4.170 75.67,58.55 75.49,58.65 74.1,58.65 73.55,59.2 v2(73.5,59.2)
  In2.Cu w0.2: J3.21 87.8,33.58 87.8,39.78 87.1,40.48 87.1,43.2 77.3,53.01 77.3,55.17 74.5,57.97 74.5,58.25 73.55,59.2 v2(73.5,59.2)
  Bottom w0.2: v2(73.5,59.2) RN7.1
/SND_L: length 11.6
  Bottom w0.4: J4.T 40.42,90.49 J5.1
/SND_R: length 18.3
  Bottom w0.4: J4.R1 33.94,91.4 42.01,91.4 43.07,90.34 43.07,87.8 J5.2
/SPKR: length 216.8
  Top w0.2: U4.32 58.65,85.59 J5.16
  In2.Cu w0.2: v2(25.1,85.7) 16.9,93.9 7.2,93.9 0.8,87.5 0.8,29.8 1.6,29 7.74,29 8.3,28.44 8.3,27.5 20.3,15.5 73.4,15.5 77.3,19.4 v2(77.3,21)
  Bottom w0.2: J5.16 58.16,85.1 41.07,85.1 40.47,85.7 v2(25.1,85.7)
/SYSCLK: length 13.9
  Top w0.2: U4.160 77.55,53.55 77.9,53.9 88.69,53.9 89.13,54.33 89.91,54.33
/TC: length 31.1
  Top w0.2: U4.14 67.65,80.67 67.47,80.85 67.47,80.85 67.33,81 v2(67.28,81)
  In2.Cu w0.2: v2(67.28,81) 67.28,80.94 72.52,75.7 78.93,75.7 82.23,72.4 89.62,72.4 J3.53
  Bottom w0.2: v2(67.28,81) 67.28,80.08 66.6,79.4 RN6.8
/TX1: length 27.3
  Top w0.2: J8.3 6.8,67.19 6.8,52.6 6.15,51.95 6.15,47.41 8.98,44.57 U8.8
/TX2: length 21.7
  Top w0.2: J10.3 1.1,54.67 1.1,47.2 6.88,41.42 6.88,40.47 8.22,39.12 U11.5
